# KiCad board C68.kicad_pcb (continued)
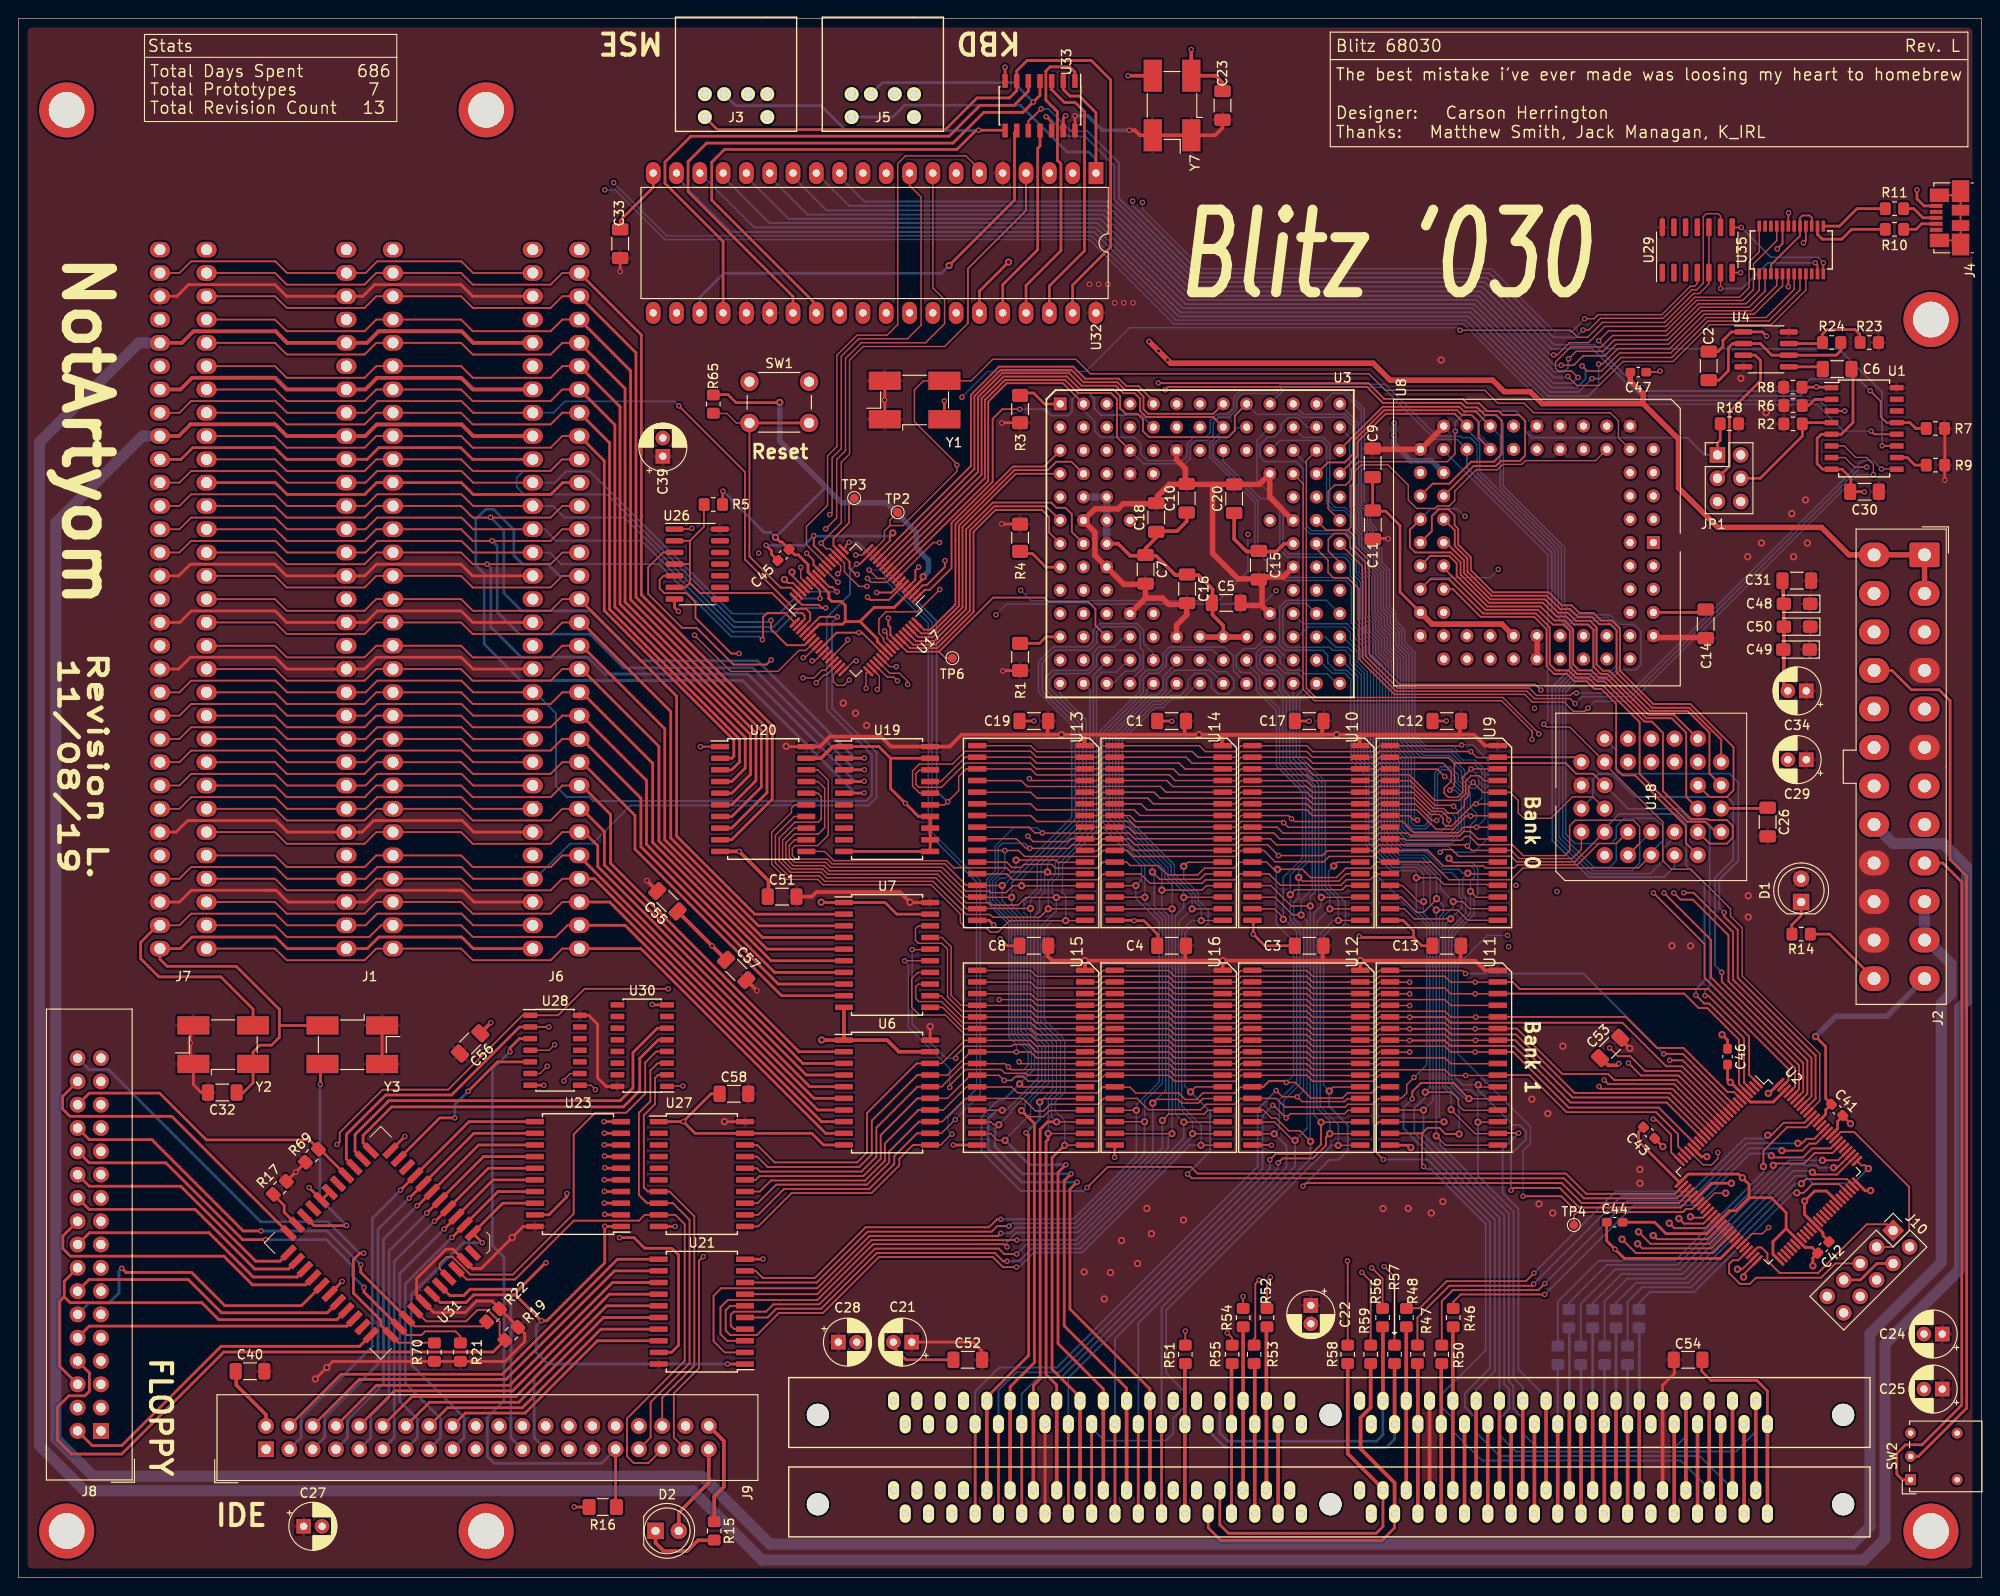
[diagram p0: board, top side]
## Routing (per net, layer and track width the routed paths; a pad name or vN(x,y) marks a point on that pad's centre or on a via; arc(x,y) is an arc through that point) (continued)
GND: length 655.5
  Top w0.2: U35.19 192.93,148.78 v2(192.95,148.8) ; U29.7 v2(187.73,142.28) ; 177.44,131.43 178.83,131.43 v2(178.95,131.55) ; v2(91.62,103.03) 91.97,103.03 ; 91.97,103.03 U17.54 ; 91.97,103.03 89.19,103.03 U17.41 ; U17.14 95,113.08 95,113.6 v1(95.3,113.9) ; U35.6 192.93,142.15 v2(192.93,140.75) ; v2(86.7,113.6) 86.7,112.54 U17.21 ; v2(136.58,47.14) 136.56,47.16 U12.16
  Top w0.3: v1(87.51,73.64) 87.54,73.6 U7.1 94.47,73.6 95.74,72.34 99.39,72.34 ; 35.79,121.92 29.22,121.92 27.95,123.19 19,123.19 17.73,121.92 15.47,121.92 ; 40.87,119.38 39.04,119.38 37.75,118.09 29.3,118.09 28.01,119.38 20.55,119.38 ; 15.47,68.58 17.66,68.58 18.92,69.84 28.05,69.84 29.31,68.58 35.79,68.58 ; J1.B10 38.01,121.92 39.28,123.19 48.23,123.19 49.5,121.92 J6.B10 ; J1.A11 48.29,119.38 49.58,118.09 58.03,118.09 59.32,119.38 J6.A11 ; J1.B31 38.03,68.58 39.29,69.84 48.33,69.84 49.59,68.58 J6.B31 ; 149.51,47.15 151.53,47.15 v1(151.78,46.9) ; U30.8 69.16,62.44 v2(69.1,62.5) ; J4.5 207.73,149.55 206.95,150.32 v2(206.95,151.3) ; C21.2 95.38,25.12 96.75,23.75 102,23.75 ; U1.5 196.52,124.66 196.06,124.19 196.06,121.44 196.65,120.84 U1.8 198.78,120.84 199.74,119.88 199.74,118.39 201.21,118.39 v2(201.23,118.38) ; U1.5 198.7,124.66 199.98,125.92 199.98,131.6 C6.1 ; U1.5 197.19,124.66 ; U21.10 81.15,34.72 v2(81.17,34.74) ; U33.7 v2(107.55,164.68) ; v2(72.49,49.72) U27.1 ; v2(72.49,49.72) 73.76,48.44 U27.19 86.48,48.44 87.75,47.18 89.99,47.18 ; v2(72.49,49.72) 72.49,49.74 75.5,52.75 76.51,52.75 ; v2(71.95,105.35) 71.53,105.78 U26.7 ; 152.07,69.8 152.99,68.89 154.22,68.89 ; 152.07,69.8 146.28,69.8 v2(146.15,69.93) ; 152.07,69.8 152.07,70.53 150.94,71.66 U9.16 ; 95.06,89.33 95.06,86.03 v2(96.68,84.42) 98.12,82.98 U19.14 U19.11 U19.10 ; 95.06,89.33 U19.19 ; 95.06,89.33 93.79,90.61 U19.1 ; 190.67,83.87 185.63,83.87 U18.16 ; v2(60.58,7.72) 60.6,7.7 R16.1 ; U2.100 190.81,52.8 v1(190.75,52.8) ; v1(186.73,43) 184.55,43 U2.31 ; 173.12,38.75 173.12,36.72 v2(174.05,35.8) 175.05,34.8 185.54,34.8 U2.44 ; 139.22,68.89 135.86,68.89 v2(134.6,70.15) 134.6,71.57 U10.16 ; 23.72,52.89 24.53,52.89 25.58,53.94 Y2.2 25.58,57.31 26.32,58.05 27.6,58.05 28.45,58.9 28.45,60.2 ; U31.34 v2(35.3,32.3) ; v1(184.05,45.9) 183.44,45.9 U2.21 ; v2(57.28,53.68) 57.26,53.69 U28.7 ; C2.1 185.27,133.67 185.8,134.2 185.8,134.9 186.71,135.81 U4.1 190.1,135.81 v2(190.55,135.36) ; 139.22,93.39 140.69,93.39 v2(140.7,93.38) ; v2(107.03,69.65) 107.78,68.89 109.2,68.89 ; U2.69 197.09,42.15 195.8,42.15 v1(194.7,41.05) 194.7,39.59 U2.62 196.7,37.59 196.7,37.29 197.37,36.62 ; U31.17 40.57,46.55 v2(42.12,48.1) ; 65.6,146.92 65.6,147.97 69.2,151.57 U32.20 ; 202.32,65.25 197.42,70.16 195.35,70.16 ; U16.16 119.51,45.84 v2(119.5,45.82) ; 154.22,93.39 155.64,93.39 v2(155.65,93.4) ; 28.45,60.2 28.45,61.95 23.75,66.65 16.21,66.65 15.43,67.43 J7.B31 ; 28.45,60.2 Y3.2 ; v2(63.84,49.71) 63.84,49.72 U23.10 ; v2(110.7,93.4) 110.69,93.39 109.2,93.39 ; U5.1 190.65,20.35 189.5,21.5 184.5,21.5 183.49,22.51 183.49,23.75 ; v1(201.9,42.2) 201.29,42.2 U2.75 ; v2(106.32,71.15) 105.81,71.66 U13.16 ; 124.22,68.89 124.22,70.09 122.68,71.62 v2(121.62,71.62) 121.59,71.66 U14.16 ; 147.62,120.05 147.62,116.3 147.64,116.28 149.03,116.28 150.6,114.7 150.6,107.45 U8.41 ; v2(71.59,38.29) 71.59,38.28 U27.10 ; U2.84 198.3,48.97 198.3,49.75 198.87,50.32 198.87,50.38 198.87,50.33 v1(199.7,49.5) ; 178.37,47.88 v1(179.25,47) ; 183.92,105.47 183.68,105.23 U8.63 ; 186.3,57.68 186.3,58.6 v1(185.7,59.2) ; v2(125.72,93.38) 125.71,93.39 124.22,93.39 ; v2(81.5,112.55) 82.1,111.95 82.1,111.56 82.78,110.88 ; v2(101.9,47.18) 101.91,47.16 U15.16 ; Y1.2 v2(100.94,128.28) ; U31.23 U31.24 33.04,41.18 v2(31.7,42.53)
  Top w0.4: U20.19 87.49,89.33 88.75,90.61 U19.1 ; 89.99,62.18 U6.1 ; U6.1 94.71,58.6 95.97,57.34 99.39,57.34 ; U6.1 87.59,58.6 v1(87.57,58.62) ; U5.1 U24.1 ; 23.76,22.5 23.76,21 27,17.76 J9.2 ; C34.2 192.44,97.12 C48.2 192.36,106.26 192.36,108.7 ; 71.8,72.7 75.75,68.75 ; 75.75,68.75 v2(75.62,68.88) ; 75.75,68.75 77.2,67.3 ; 50.3,59.3 v2(51.5,60.5) ; v2(127.85,166.6) Y7.2 130.5,163.75 131.25,163 C23.1 ; 75.85,6.12 75.85,8.85 76.9,9.9 76.9,14.9 J9.40 ; 81.76,74.25 81.76,75.99 v2(78.57,79.18) U20.10 ; U3.L8 131.34,103.78 130.16,104.96 130.16,107.76 128.63,109.3 126.13,109.3 124.01,111.42 122.87,111.42 ; U3.G3 119.87,112.73 121.19,111.42 122.87,111.42 ; 132.52,116.14 132.52,113.23 133.88,111.86 137.11,111.86 137.97,112.73 U3.G11 ; 124.03,114.09 126.29,114.09 127.35,115.15 127.35,116.19 ; 124.03,114.03 124.03,113.38 122.87,112.23 122.87,111.42 ; v2(174.45,56.05) 174.25,55.85 173.3,55.85 172.45,56.7 ; U5.39 U24.39
  Top w0.6: 128.78,102.55 133.86,102.55 ; U8.41 154.09,103.96 161.71,103.96 U8.51
  In2.Cu w0.3: v1(184.05,45.9) 182.1,45.9 181,47 v1(179.25,47)
  Bottom w0.3: v2(81.5,112.55) 85.65,112.55 v2(86.7,113.6) 86.75,113.55 94.95,113.55 v1(95.3,113.9)
  Bottom w0.6: U8.30 154.08,121.75 151.79,121.75 149.95,123.59 v2(149.95,124.53) ; v2(149.95,124.53) 149.95,124.82 ; v2(149.95,124.53) v2(149.95,125.88)
  Bottom w0.8: U3.E2 U3.E3 U3.F3 U3.G3
100Hz: length 16.9
  Top w0.3: 188.02,133.28 189.32,133.28 189.9,132.7 189.9,130.5 186.5,127.1 186.5,121.16 JP1.3
!READ: length 422.4
  Top w0.15: U29.4 183,141.07 182.73,140.8 182.25,140.8 179.15,137.7 172.2,137.7 171.75,137.25 v2(170.73,137.25) ; 99.68,145.62 99.68,145.13 ; 99.68,145.62 99.68,140.61 100.96,139.33 100.96,136.71 98.89,134.64 91.88,134.64 90.16,132.92 90.16,122.86 89.2,121.9 89.2,115.55 v2(88,114.35) ; 99.68,145.62 U32.8 ; U28.8 62.41,53.69 v2(62.9,53.2)
  Top w0.3: U23.1 63.94,38.28 v2(63.92,38.3) 63.92,34.31 57.61,28 57,28 54.17,30.83 49.64,30.83 48.81,30 46,30 U31.1 ; v2(77.28,23.3) 77.29,23.28 U21.1
  In2.Cu w0.15: U18.24 181.78,90.18 181.78,92.25 179.97,94.06 170.1,94.06 169.71,93.67 158.41,93.67 155.16,90.42 105.6,90.42 95.85,100.17 93,100.17 91.78,101.4 90,101.4 89.5,101.9 89.5,102.92 90.26,103.69 90.26,109.32 88.53,111.06 88.53,111.9 ; v2(63.92,38.3) 61.2,38.3 59.24,40.26 59.24,49.54 v2(62.9,53.2) 73.01,63.31 73.01,103.06 74.03,104.08 75.57,104.08 83.8,112.31 86.34,112.31 86.75,111.9 88.53,111.9 ; 88.53,111.9 88.53,113.83 v2(88,114.35) ; U32.8 101.63,151.18 121.28,151.18 v2(122.53,149.93)
  Bottom w0.15: v2(122.53,149.93) 122.53,149.22 129.05,142.7 160.57,142.7 167.48,135.8 169.27,135.8 v2(170.73,137.25)
  Bottom w0.3: 57.7,23.3 56.23,21.83 56.23,15.25 J9.25 ; 57.7,23.3 56.45,24.55 56.45,27.45 v2(57.01,28.01) ; 57.7,23.3 v2(77.28,23.3)
/A0: length 313.1
  Top w0.15: U17.8 94.67,108.51 92.98,108.51 v2(92.55,108.94) ; v2(101.78,48.35) 101.7,48.35 100.53,47.18 99.39,47.18 ; v2(88.45,115.9) 88.7,116.15 88.7,122.1 89.7,123.1 89.7,133.16 91.61,135.07 96.92,135.07 98.4,136.55 98.4,150.52 97.14,151.78 U32.9
  Top w0.2: U3.A2 113.85,130.22 107.73,130.22 105.72,128.21 105.72,119.56 U17.8 ; U27.11 80.63,38.28 84.28,41.93 93,41.93 96.03,44.95 96.03,45.68 97.53,47.18 99.39,47.18
  In1.Cu w0.15: v2(92.55,108.94) 92.1,109.39 92.1,112.7 88.9,115.9 v2(88.45,115.9)
  Bottom w0.15: v2(92.55,108.94) 94.29,108.94 99.19,104.04 99.19,81.09 104.45,75.82 104.45,53.28 101.32,50.15 101.32,48.8 v2(101.78,48.35) ; 180.53,81.22 180.53,80.78 179.26,79.51 179.26,78.12 177.89,76.75 171.38,76.75 167.56,80.57 167.56,96.95 169.51,98.9 171.36,98.9 171.88,99.42 171.88,103.21 171.11,103.98 169.11,103.98 167.5,105.59 167.5,111.94 158.99,120.45 158.99,123.55 158.27,124.27 157.38,124.27 157.2,124.45 154.64,124.45 148.97,130.12 137.64,130.12 136.94,129.42 133.24,129.42 132.46,128.64 132.46,127.49 131.82,126.85 130.63,126.85 129.91,126.13 129.91,124.85 129.39,124.33 128.13,124.33 127.38,123.58 127.38,122.27 126.88,121.77 123.08,121.77 122.34,122.51 122.34,123.61 121.62,124.33 118,124.33 117.31,125.02 117.31,126.07 116.1,127.28 U3.A2
/A1: length 253.7
  Top w0.15: U17.9 94.38,108.93 93.66,108.93 v2(92.73,109.86) ; U6.12 100.62,48.44 v2(102.12,49.95)
  Top w0.2: U17.9 105.35,119.9 105.35,128.39 107.54,130.58 114.09,130.58 115.52,129.15 119.09,129.15 119.74,128.5 119.74,124.33 U3.C4 ; U27.12 80.63,39.56 83.45,42.38 92.75,42.38 95.47,45.1 95.47,45.95 97.97,48.44 U6.12
  Bottom w0.15: U3.C4 122.64,121.43 127.14,121.43 127.72,122.01 127.72,123.39 128.32,123.99 129.61,123.99 130.23,124.61 130.23,125.93 130.82,126.52 132,126.52 132.79,127.31 132.79,128.51 133.39,129.11 137.09,129.11 137.77,129.79 148.72,129.79 154.41,124.1 156.81,124.1 U8.25 ; v2(92.73,109.86) 93.92,109.86 99.59,104.19 99.59,81.27 104.85,76.01 104.85,52.68 v2(102.12,49.95)
  Bottom w0.2: U8.25 157.9,120.99 167.15,111.74 167.15,105.37 169.32,103.2 169.32,99.26 167.19,97.13 167.19,80.39 171.21,76.37 179.37,76.37 180.53,77.53 U18.11
/A2: length 320.6
  Top w0.15: 134.79,76.72 133.21,76.72 132.56,76.08 129.41,76.08 129.03,75.7 123.35,75.7 122.34,76.72 118.26,76.72 117.64,76.09 108.37,76.09 107.74,76.72 104.8,76.72 ; 149.79,76.72 147.97,76.72 v2(147.94,76.68) 147.36,76.1 144.77,76.1 144.15,75.48 137.57,75.48 136.32,76.72 134.66,76.72 ; v2(152.13,54.53) 151.33,53.73 151.33,52.83 150.75,52.25 U11.12 148.28,52.25 147.64,51.61 144.92,51.61 144.62,51.31 138.06,51.31 137.12,52.25 U12.12 133.24,52.25 132.6,51.61 129.46,51.61 128.87,51.02 123.17,51.02 121.94,52.25 U16.12 118.31,52.25 117.68,51.61 112.45,51.61 111.72,50.88 110.86,50.88 109.5,52.25 U15.12 103.24,52.25 100.71,49.72 99.39,49.72
  Top w0.2: U8.24 156.56,126.89 149.04,126.89 145.98,123.83 145.98,122.29 U3.D13 ; U27.13 80.57,40.82 82.6,42.85 92.5,42.85 94.93,45.28 94.93,46.47 98.16,49.72 99.39,49.72 ; v2(181.52,74.68) 182.6,74.68 186.9,70.38 186.9,65.2 195.45,56.65 195.45,52.49 U2.93
  In2.Cu w0.15: v2(147.94,76.68) 148.84,77.57 156.84,77.57 157.16,77.89 171.61,77.89 172.2,77.3 173.42,77.3 174.19,78.07 174.19,82.07 174.87,82.75 176.55,82.75 U18.10
  In2.Cu w0.2: v2(181.52,74.68) 179.25,76.95 179.25,80.05 U18.10
  Bottom w0.15: U18.10 176.73,80.05 176.73,77.94 175.89,77.1 171.55,77.1 167.94,80.71 167.94,96.84 169.65,98.55 173.29,98.55 174.23,99.49 174.23,103.22 173.14,104.31 169.29,104.31 167.84,105.76 167.84,112.09 159.3,120.63 159.3,123.78 157.9,125.18 U8.24 ; v2(147.94,76.68) 153.51,71.11 153.51,55.91 v2(152.13,54.53)
/A3: length 328.2
  Top w0.15: 134.74,78 133.13,78 132.49,77.35 129.29,77.35 128.55,76.61 125.28,76.61 124.25,77.64 121.19,77.64 120.79,78.03 119.49,78.03 ; U18.9 176.6,77.38 164.01,77.38 162.72,76.09 155.91,76.09 153.99,78.01 149.59,78.01 ; 134.81,78.01 134.79,78 ; 104.51,53.5 108.28,53.5 108.92,52.85 117.59,52.85 118.24,53.5 119.84,53.5 ; 119.82,53.47 121.16,53.47 121.81,52.83 126.48,52.83 127.18,52.13 128.41,52.13 129.11,52.83 132.57,52.83 133.22,53.47 134.82,53.47 ; 149.76,53.49 148.16,53.49 147.51,52.84 144.88,52.84 144.33,52.29 140.89,52.29 139.19,53.99 v2(138.21,53.99) ; 104.84,78 107.74,78 108.3,77.44 109.32,77.44 109.64,77.76 112.65,77.76 113.04,77.36 117.59,77.36 118.24,78 119.84,78 ; 149.7,78.01 148.09,78.01 147.43,77.35 144.69,77.35 143.67,76.33 140.84,76.33 139.95,77.22 v1(137.25,77.22) 136.85,77.22 136.06,78.01 U10.11 ; U15.11 103.36,53.51 100.83,50.99 U6.14
  Top w0.2: U8.23 159.16,124.29 159.16,126 158.4,126.76 157.34,126.76 156.83,127.27 148.86,127.27 145.54,123.95 145.54,122.55 144.58,121.59 142.74,121.59 U3.D12 ; U12.11 135.71,53.51 136.34,54.15 138.05,54.15 v2(138.21,53.99) ; v2(180.45,74.65) 181.18,73.93 182.52,73.93 186.4,70.05 186.4,65 195,56.4 195,52.74 U2.94 ; U27.14 80.82,42.09 82.03,43.3 92.3,43.3 94.45,45.45 94.45,47.32 98.11,50.99 U6.14
  In2.Cu w0.2: U18.9 177.99,77.11 v2(180.45,74.65)
  Bottom w0.15: 177.89,79 179.27,80.38 179.27,81.93 178.42,82.78 175.05,82.78 174.18,81.91 174.18,80.61 173.61,80.04 169.66,80.04 168.67,81.03 168.67,96.6 169.96,97.89 173.58,97.89 174.65,98.96 176.29,98.96 176.85,99.52 176.85,103.18 176.09,103.94 174.51,103.94 173.48,104.97 169.6,104.97 168.54,106.03 168.54,112.33 161.86,119.01 161.86,125.83 160.98,126.71 159.95,126.71 159.23,125.99 159.23,124.63 160.44,123.42 U8.23 ; v2(138.21,53.99) 139,54.78 139,69.39 137.11,71.28 137.11,77.09 v1(137.25,77.22)
/A4: length 309.2
  Top w0.15: 104.51,54.76 106.9,54.76 v2(107.45,54.21) 108.24,54.21 108.63,54.6 109.6,54.6 110.06,54.14 117.74,54.14 118.36,54.76 119.51,54.76 ; 119.89,54.76 125.4,54.76 126.04,54.12 132.64,54.12 133.28,54.76 134.89,54.76 ; 134.95,54.76 140.46,54.76 141.1,54.12 147.7,54.12 148.34,54.76 149.95,54.76 ; 149.59,79.28 153.59,79.28 155.29,77.59 159.69,77.59 159.9,77.38 163.06,77.38 163.39,77.71 169.93,77.71 172.26,80.04 174.18,80.04 U18.8 ; U14.10 120.9,79.28 121.55,78.63 132.64,78.63 133.28,79.28 134.89,79.28 ; 119.84,79.28 118.24,79.28 117.59,78.63 109.68,78.63 109.03,79.28 v2(107.53,79.28) 104.84,79.28 ; U10.10 135.74,79.28 136.97,78.05 142.3,78.05 142.88,78.63 147.7,78.63 148.34,79.28 149.95,79.28 ; U15.10 103.81,54.78 101.28,52.25 U6.15
  Top w0.2: U8.22 158.84,127.15 157.56,127.15 157.06,127.65 148.71,127.65 144.04,122.98 144.04,122.77 ; U2.96 194.1,53.26 194.1,55.84 184.51,65.43 184.51,69.52 v2(179.38,74.65) ; U27.15 80.38,43.37 80.78,43.78 92.1,43.78 94,45.68 94,48.25 98,52.25 U6.15
  In2.Cu w0.2: U18.8 176.7,80.06 176.7,77.32 v2(179.38,74.65)
  Bottom w0.15: v2(107.45,54.21) 108.29,54.21 108.85,54.77 109.58,54.77 110.42,55.61 110.42,57.5 108.61,59.31 108.61,71.47 106.2,73.88 106.2,75.91 107.53,77.24 v2(107.53,79.28) ; U18.8 174.18,80.04 174.18,78.16 173.49,77.47 171.71,77.47 168.33,80.85 168.33,96.73 169.82,98.22 173.43,98.22 174.57,99.36 174.57,103.36 173.29,104.64 169.43,104.64 168.2,105.87 168.2,112.2 161.52,118.88 161.52,124.47 U8.22
/A5: length 303.8
  Top w0.15: v2(165.73,91.98) 165.73,92.04 161.81,95.96 141.41,95.96 140.39,96.98 140.39,121.78 U3.C12 ; 134.89,80.54 133.28,80.54 132.64,79.9 121.68,79.9 121.03,80.56 U14.9 ; U6.16 100.63,53.53 103.15,56.03 107.56,56.03 v2(107.92,55.68) 108.21,55.39 117.59,55.39 118.24,56.03 119.84,56.03 ; 104.51,80.56 108.79,80.56 109.84,79.51 v2(110.26,79.51) 114.48,79.51 114.87,79.9 117.59,79.9 118.24,80.54 119.84,80.54 ; 149.95,56.03 148.34,56.03 147.7,55.39 141.1,55.39 140.46,56.03 134.95,56.03 ; 119.89,56.03 125.4,56.03 126.04,55.39 132.64,55.39 133.28,56.03 134.89,56.03 ; 149.59,80.56 151.09,80.56 151.26,80.39 157.29,80.39 157.71,80.81 158.2,80.81 159.1,79.91 162.85,79.91 164.04,78.72 168.55,78.72 169.09,79.26 169.09,81.97 169.7,82.58 176.04,82.58 176.72,81.9 176.72,80.04 U18.7 176.6,79.92 ; 149.95,80.54 148.34,80.54 147.7,79.9 137.12,79.9 136.47,80.56 U10.9
  Top w0.2: U6.16 98,53.53 93.53,49.05 93.53,45.9 91.9,44.28 80.85,44.28 80.49,44.63 U27.16 ; v2(178.23,74.65) 183.8,69.07 183.8,65.4 193.65,55.55 193.65,53.51 U2.97
  In1.Cu w0.15: U18.7 174.18,80.04 174.18,81.93 173.53,82.58 172.26,82.58 171.64,83.2 171.64,84.5 171.01,85.13 167.76,85.13 165.73,87.16 v2(165.73,91.98)
  In2.Cu w0.2: U18.7 175.45,77.43 v2(178.23,74.65)
  Bottom w0.15: v2(107.92,55.68) 108.22,55.38 109.58,55.38 110.07,55.87 110.07,57.37 108.28,59.16 108.28,71.35 105.88,73.75 105.88,76.03 106.8,76.95 106.8,79.63 107.23,80.06 109.71,80.06 v2(110.26,79.51)
/A6: length 315.1
  Top w0.15: 134.95,57.31 140.46,57.31 141.1,56.66 147.7,56.66 148.34,57.31 149.95,57.31 ; 119.84,57.31 118.24,57.31 117.59,56.66 110.99,56.66 110.34,57.31 104.84,57.31 ; v2(165,91.38) 165,92.28 161.67,95.61 141.27,95.61 140.03,96.85 140.03,119.28 U3.D11 ; 134.89,81.81 133.28,81.81 132.64,81.17 121.71,81.17 121.06,81.82 U14.8 ; 149.8,57.29 v2(151.66,57.29) ; 104.84,81.81 110.18,81.81 110.79,81.2 v2(111.62,81.2) 111.65,81.17 117.59,81.17 118.24,81.81 119.84,81.81 ; 134.89,57.31 133.28,57.31 132.64,56.66 126.04,56.66 125.4,57.31 119.89,57.31 ; v2(154.98,79.08) 155.28,79.38 156.26,79.38 156.99,78.65 162.7,78.65 163.31,78.04 169.64,78.04 U18.6 ; U6.17 101.28,54.79 103.81,57.32 U15.8 ; 149.95,81.81 148.34,81.81 147.7,81.17 137.85,81.17 137.21,81.81 134.95,81.81
  Top w0.2: v2(182.85,63.5) 183.75,62.6 184.3,62.6 188.1,58.8 188.1,53.97 U2.3 ; U27.17 80.53,45.91 81.66,44.78 91.65,44.78 93.03,46.15 93.03,49.82 98,54.79 U6.17
  In1.Cu w0.15: 172.47,81.31 U18.6 171.64,82.58 169.67,82.58 165,87.25 v2(165,91.38) ; v2(154.98,79.08) 153.22,79.08 151.54,77.4 151.54,69.58 152.97,68.15 152.97,66.35 153.66,65.66 153.66,59.3 v2(151.66,57.29)
  Bottom w0.15: v2(108.8,57.31) 108.8,58.14 107.97,58.97 107.97,71.23 105.57,73.63 105.57,76.15 106.49,77.07 106.49,79.77 108.46,81.74 111.08,81.74 v2(111.62,81.2)
  Bottom w0.2: v2(182.85,63.5) 182.85,64.15 183.8,65.1 183.8,75.65 181.8,77.65 181.8,82.15 180.7,83.25 174.48,83.25 172.91,81.69 U18.6 172.91,81.61
/A7: length 271.8
  Top w0.15: 149.79,83.06 151.63,83.06 152.1,82.6 v2(152.52,82.6) ; 149.95,58.57 148.34,58.57 147.7,57.93 141.1,57.93 140.46,58.57 134.95,58.57 ; U14.7 121.13,83.09 121.79,82.44 132.64,82.44 133.28,83.08 134.89,83.08 ; 119.89,58.57 125.4,58.57 126.04,57.93 132.64,57.93 133.28,58.57 134.89,58.57 ; 119.84,58.57 118.24,58.57 117.59,57.93 110.99,57.93 110.34,58.57 104.84,58.57 ; U6.18 100.65,56.06 103.16,58.57 104.51,58.57 ; 119.84,83.08 118.24,83.08 117.59,82.44 110.99,82.44 110.34,83.08 104.84,83.08 ; 149.8,58.56 v2(151.66,58.56) ; 134.95,83.08 138.44,83.08 v2(138.78,82.75) 139.09,82.44 147.7,82.44 148.34,83.08 149.95,83.08
  Top w0.2: U6.18 97.91,56.06 92.5,50.65 92.5,46.35 91.43,45.28 82.43,45.28 80.53,47.18 U27.18 ; v2(151.66,58.56) 155.49,58.56 156.07,57.97 163,57.97 169.18,51.8 179.66,51.8 U2.18
  In1.Cu w0.15: v2(151.66,58.56) 153.32,60.23 153.32,65.55 152.66,66.21 152.66,68.03 151.23,69.46 151.23,81.73 152.1,82.6 v2(152.52,82.6)
  In2.Cu w0.15: U18.5 171.64,80.04 171.64,84.47 170.98,85.13 166.87,85.13 160.55,78.81 157.21,78.81 156.01,80.01 154.35,80.01 152.52,81.84 v2(152.52,82.6)
  Bottom w0.15: 144.02,125.41 145.13,124.3 145.13,116.65 145.78,116 145.78,114.39 146.41,113.76 146.41,113.62 146.42,113.61 146.42,112.16 147.08,111.5 147.08,110.01 147.85,109.24 147.85,105.23 148.58,104.5 148.58,103.68 149.54,102.72 149.54,101.35 150.63,100.26 150.63,91.19 152.18,89.64 152.18,82.94 v2(152.52,82.6)
/A8: length 269.5
  Top w0.15: 103.63,59.84 104.51,59.84 103.06,59.84 100.74,62.18 99.39,62.18 ; 150.74,84.33 149.79,84.33 152.31,84.33 154.09,82.55 v2(154.6,82.55) ; 134.95,59.84 140.46,59.84 141.1,59.2 147.7,59.2 148.34,59.84 149.95,59.84 ; 134.95,84.36 140.46,84.36 141.1,83.71 147.7,83.71 148.34,84.36 149.95,84.36 ; 134.89,84.36 133.28,84.36 132.64,83.71 123.02,83.71 122.37,84.36 U14.6 ; 119.84,59.84 118.24,59.84 117.59,59.2 110.99,59.2 110.34,59.84 104.84,59.84 ; 104.84,84.36 110.34,84.36 110.99,83.71 117.59,83.71 118.24,84.36 119.84,84.36 ; 134.89,59.84 133.28,59.84 132.64,59.2 126.04,59.2 125.4,59.84 119.89,59.84 ; 149.8,59.84 v2(151.66,59.84)
  Top w0.2: U2.16 180.03,52.85 169.62,52.85 163.25,59.22 156.15,59.22 155.54,59.84 v2(151.66,59.84)
  In1.Cu w0.15: v2(151.66,59.84) 152.99,61.17 152.99,65.44 152.35,66.08 152.35,67.88 150.91,69.32 150.91,81.96 152.27,83.32 153.83,83.32 v2(154.6,82.55)
  In2.Cu w0.15: v2(154.6,82.55) 155.4,83.35 156.62,83.35 158.41,85.14 163.94,85.14 169.01,90.21 174.19,90.21 U18.27
  Bottom w0.15: v2(154.6,82.55) 155.38,83.33 156.22,83.33 156.66,82.89 156.66,81.81 155.85,81 151.65,81 150.86,81.79 150.86,89.11 149.34,90.63 149.34,99.76 148.27,100.83 148.27,102.18 147.32,103.13 147.32,103.95 146.61,104.66 146.61,108.69 145.82,109.48 145.82,110.95 145.16,111.61 145.16,113.16 144.51,113.81 140.79,113.81 140.06,114.54 140.06,120.9 139.28,121.68 135.85,121.68 135.32,122.21 135.32,123.48 136.19,124.35 136.88,124.35 137.65,125.12 137.65,125.72 138.41,126.48 139.46,126.48 140.55,125.39 141.5,125.39
/A9: length 279.8
  Top w0.15: 119.51,85.64 123.79,85.64 124.45,84.98 132.64,84.98 133.28,85.62 134.89,85.62 ; 134.95,61.12 140.46,61.12 141.1,60.47 147.7,60.47 148.34,61.12 149.95,61.12 ; 134.89,61.12 133.28,61.12 132.64,60.47 126.04,60.47 125.4,61.12 119.89,61.12 ; 119.84,61.12 118.24,61.12 117.59,60.47 110.99,60.47 110.34,61.12 104.84,61.12 ; U7.12 100.57,63.44 102.91,61.12 104.51,61.12 ; 104.84,85.62 110.34,85.62 110.99,84.98 117.59,84.98 118.24,85.62 119.84,85.62 ; 134.95,85.62 140.46,85.62 141.1,84.98 147.7,84.98 148.34,85.62 149.95,85.62 ; 149.79,85.61 152.03,85.61 154.09,83.54 155.18,83.54 155.91,82.81 v2(155.91,82.59) ; 149.8,61.1 v2(151.66,61.1)
  Top w0.2: v2(151.66,61.1) 155.52,61.1 156.12,60.5 174.85,60.5 179.6,55.75 181.37,55.75 U2.10
  In1.Cu w0.15: v2(155.91,82.59) 154.87,83.63 152.12,83.63 150.6,82.11 150.6,69.19 152.04,67.75 152.04,65.94 152.67,65.31 152.67,62.12 v2(151.66,61.1)
  In2.Cu w0.15: U18.26 179.26,90.2 179.26,92.04 177.88,93.42 170.45,93.42 164.28,87.25 157.93,87.25 157.1,86.42 155.8,86.42 155.31,85.93 155.31,85.15 153.36,83.2 153.36,81.87 154.03,81.2 158.23,81.2 158.49,80.94 159.41,80.94 159.9,81.43 159.9,82.3 158.54,83.66 157.44,83.66 156.37,82.59 v2(155.91,82.59)
  Bottom w0.15: v2(155.91,82.59) 155.91,82.17 155.05,81.31 151.81,81.31 151.17,81.95 151.17,89.26 149.66,90.77 149.66,99.89 148.59,100.96 148.59,102.3 147.62,103.27 147.62,104.1 146.92,104.8 146.92,108.82 146.13,109.61 146.13,111.08 145.48,111.73 145.48,113.3 144.63,114.15 140.95,114.15 140.42,114.68 140.42,121.39 138.94,122.87
/A10: length 281.8
  Top w0.15: 116.04,84.36 117.59,84.36 118.23,84.99 123.09,84.99 123.72,84.36 U14.27 ; 99.39,64.72 98.09,64.72 97.81,64.43 97.81,63.14 98.14,62.81 100.62,62.81 102.95,60.48 110.36,60.48 111,59.84 116.27,59.84 ; 131.04,59.84 126.03,59.84 125.39,60.48 118.23,60.48 117.59,59.84 116.04,59.84 ; 131.09,59.84 132.65,59.84 133.28,60.48 140.44,60.48 141.07,59.84 146.09,59.84 ; 131.09,84.36 132.65,84.36 133.28,84.99 140.44,84.99 141.07,84.36 146.09,84.36 ; 146.15,59.84 147.71,59.84 148.34,60.48 155.5,60.48 156.13,59.84 v2(158.8,59.84) 161.15,59.84 ; 146.15,84.36 147.71,84.36 148.34,84.99 152.14,84.99 153.92,83.21 154.88,83.21 155.3,82.79 155.3,82.25 155.6,81.95 156.24,81.95 158.64,84.35 158.91,84.35 ; v2(158.88,84.36) 158.91,84.33 160.99,84.33
  Top w0.2: U11.27 163.34,59.87 168.3,54.9 173.3,54.9 173.95,54.25 180.75,54.25 U2.13
  In1.Cu w0.15: v2(158.88,84.36) 158.88,83.44 159.93,82.39 159.93,79.96 160.76,79.13 160.76,64.4 160.25,63.89 160.25,57.28 159.34,56.37 158.36,56.37 157.79,56.94 157.79,58.84 v2(158.8,59.84)
  In2.Cu w0.15: v2(158.88,84.36) 158.88,83.77 160.21,82.44 160.21,80.37 158.96,79.12 157.33,79.12 156.13,80.32 154.48,80.32 153.05,81.75 153.05,83.32 155,85.27 155,86.05 155.67,86.72 156.97,86.72 157.81,87.56 164.16,87.56 170.33,93.73 178.27,93.73 U18.23
  Bottom w0.15: v2(158.88,84.36) 159.53,85.01 159.53,87.91 158.64,88.8 157.33,88.8 156.13,90 153.22,90 151.58,91.64 151.58,100.64 150.49,101.73 150.49,103.09 149.53,104.05 149.53,104.91 148.8,105.64 148.8,109.63 148.01,110.42 148.01,111.9 147.36,112.55 147.36,114.14 146.74,114.76 146.74,116.38 146.07,117.05 146.07,125.88 144.14,127.81
/A11: length 285.6
  Top w0.15: 161.15,58.57 v2(158.83,58.57) 156.13,58.57 155.5,59.21 148.34,59.21 147.71,58.57 146.15,58.57 ; 160.99,83.06 158.34,83.06 v2(158.3,83.03) ; 146.09,83.08 141.07,83.08 140.44,83.72 133.28,83.72 132.65,83.08 131.09,83.08 ; 146.09,58.57 141.07,58.57 140.44,59.21 133.28,59.21 132.65,58.57 131.09,58.57 ; 116.04,58.57 117.59,58.57 118.23,59.21 125.39,59.21 126.03,58.57 131.04,58.57 ; 158.28,83.05 157.82,83.05 156.37,81.6 154.54,81.6 152.42,83.72 148.34,83.72 147.71,83.08 146.15,83.08 ; 116.27,58.57 111,58.57 110.37,59.21 103.17,59.21 101.05,61.33 98.23,61.33 97.38,62.18 97.38,65.32 98.04,65.99 U7.14 ; 116.04,83.08 117.59,83.08 118.23,83.72 121.61,83.72 122.24,83.09 U14.26
  Top w0.2: U2.17 179.82,52.35 169.4,52.35 163.16,58.59 U11.26
  In1.Cu w0.15: v2(158.3,83.03) 158.82,83.03 159.62,82.23 159.62,79.8 160.44,78.98 160.44,64.52 159.93,64.01 159.93,57.42 159.2,56.69 158.49,56.69 158.11,57.07 158.11,57.85 v2(158.83,58.57)
  In2.Cu w0.15: U18.25 176.35,93.11 170.57,93.11 163.55,86.09 157.51,86.09 156.47,85.05 155.68,85.05 153.67,83.04 153.67,82.01 154.18,81.5 158.35,81.5 158.61,81.24 159.27,81.24 159.58,81.55 159.58,82.17 158.72,83.03 v2(158.3,83.03)
  Bottom w0.15: 136.4,122.87 137.51,123.98 142.04,123.98 142.6,123.42 142.6,117.11 143.36,116.35 144.51,116.35 145.15,115.71 145.15,114.09 145.8,113.44 145.8,111.86 146.45,111.21 146.45,109.74 147.23,108.96 147.23,104.94 147.94,104.23 147.94,103.42 148.91,102.45 148.91,101.1 149.97,100.04 149.97,90.93 151.5,89.4 151.5,82.15 152,81.65 153.4,81.65 153.98,82.23 153.98,83.01 154.69,83.72 154.69,87.59 155.18,88.08 155.84,88.08 156.65,87.27 156.65,86.76 157.91,85.5 157.91,83.42 v2(158.3,83.03)
/A12: length 264.4
  Top w0.15: v2(157.94,79.76) 158.41,79.28 162.72,79.28 163.61,78.4 169.37,78.4 170.37,79.4 U18.4 ; 115.99,54.75 117.59,54.75 118.23,55.39 125.4,55.39 126.04,54.75 132.62,54.75 133.27,55.39 140.47,55.39 141.12,54.75 147.69,54.75 148.32,55.38 155.49,55.38 156.12,54.75 v2(157.76,54.75) 160.99,54.75 ; 116.27,54.76 110.03,54.76 109.8,54.99 107.53,54.99 107.12,55.4 103.25,55.4 101.53,53.68 v2(101.53,53.45) ; U14.23 121.54,79.28 120.93,79.9 118.23,79.9 117.59,79.25 115.99,79.25 ; 130.99,79.25 132.62,79.25 133.27,79.9 136.18,79.9 v2(137.35,78.72) 142.15,78.72 142.68,79.25 147.69,79.25 148.32,79.89 157.81,79.89 157.93,79.77 ; U7.15 96.6,67.25 v2(96.6,67.25)